# Altium PCB 2-quilter-output.PcbDoc (part 20 of 26)
Units mil, origin at the board's own origin, x right, y up, seen from the top; angles counter-clockwise.
Board outline 4130.55 x 4250 mil, 8 copper layers (L1, Ground L2, L3, Power L4, Ground L5, L6, Ground L7, L8), stack 62.985 mil thick; 591 components, 494 nets, 2245 pads, 1508 vias.
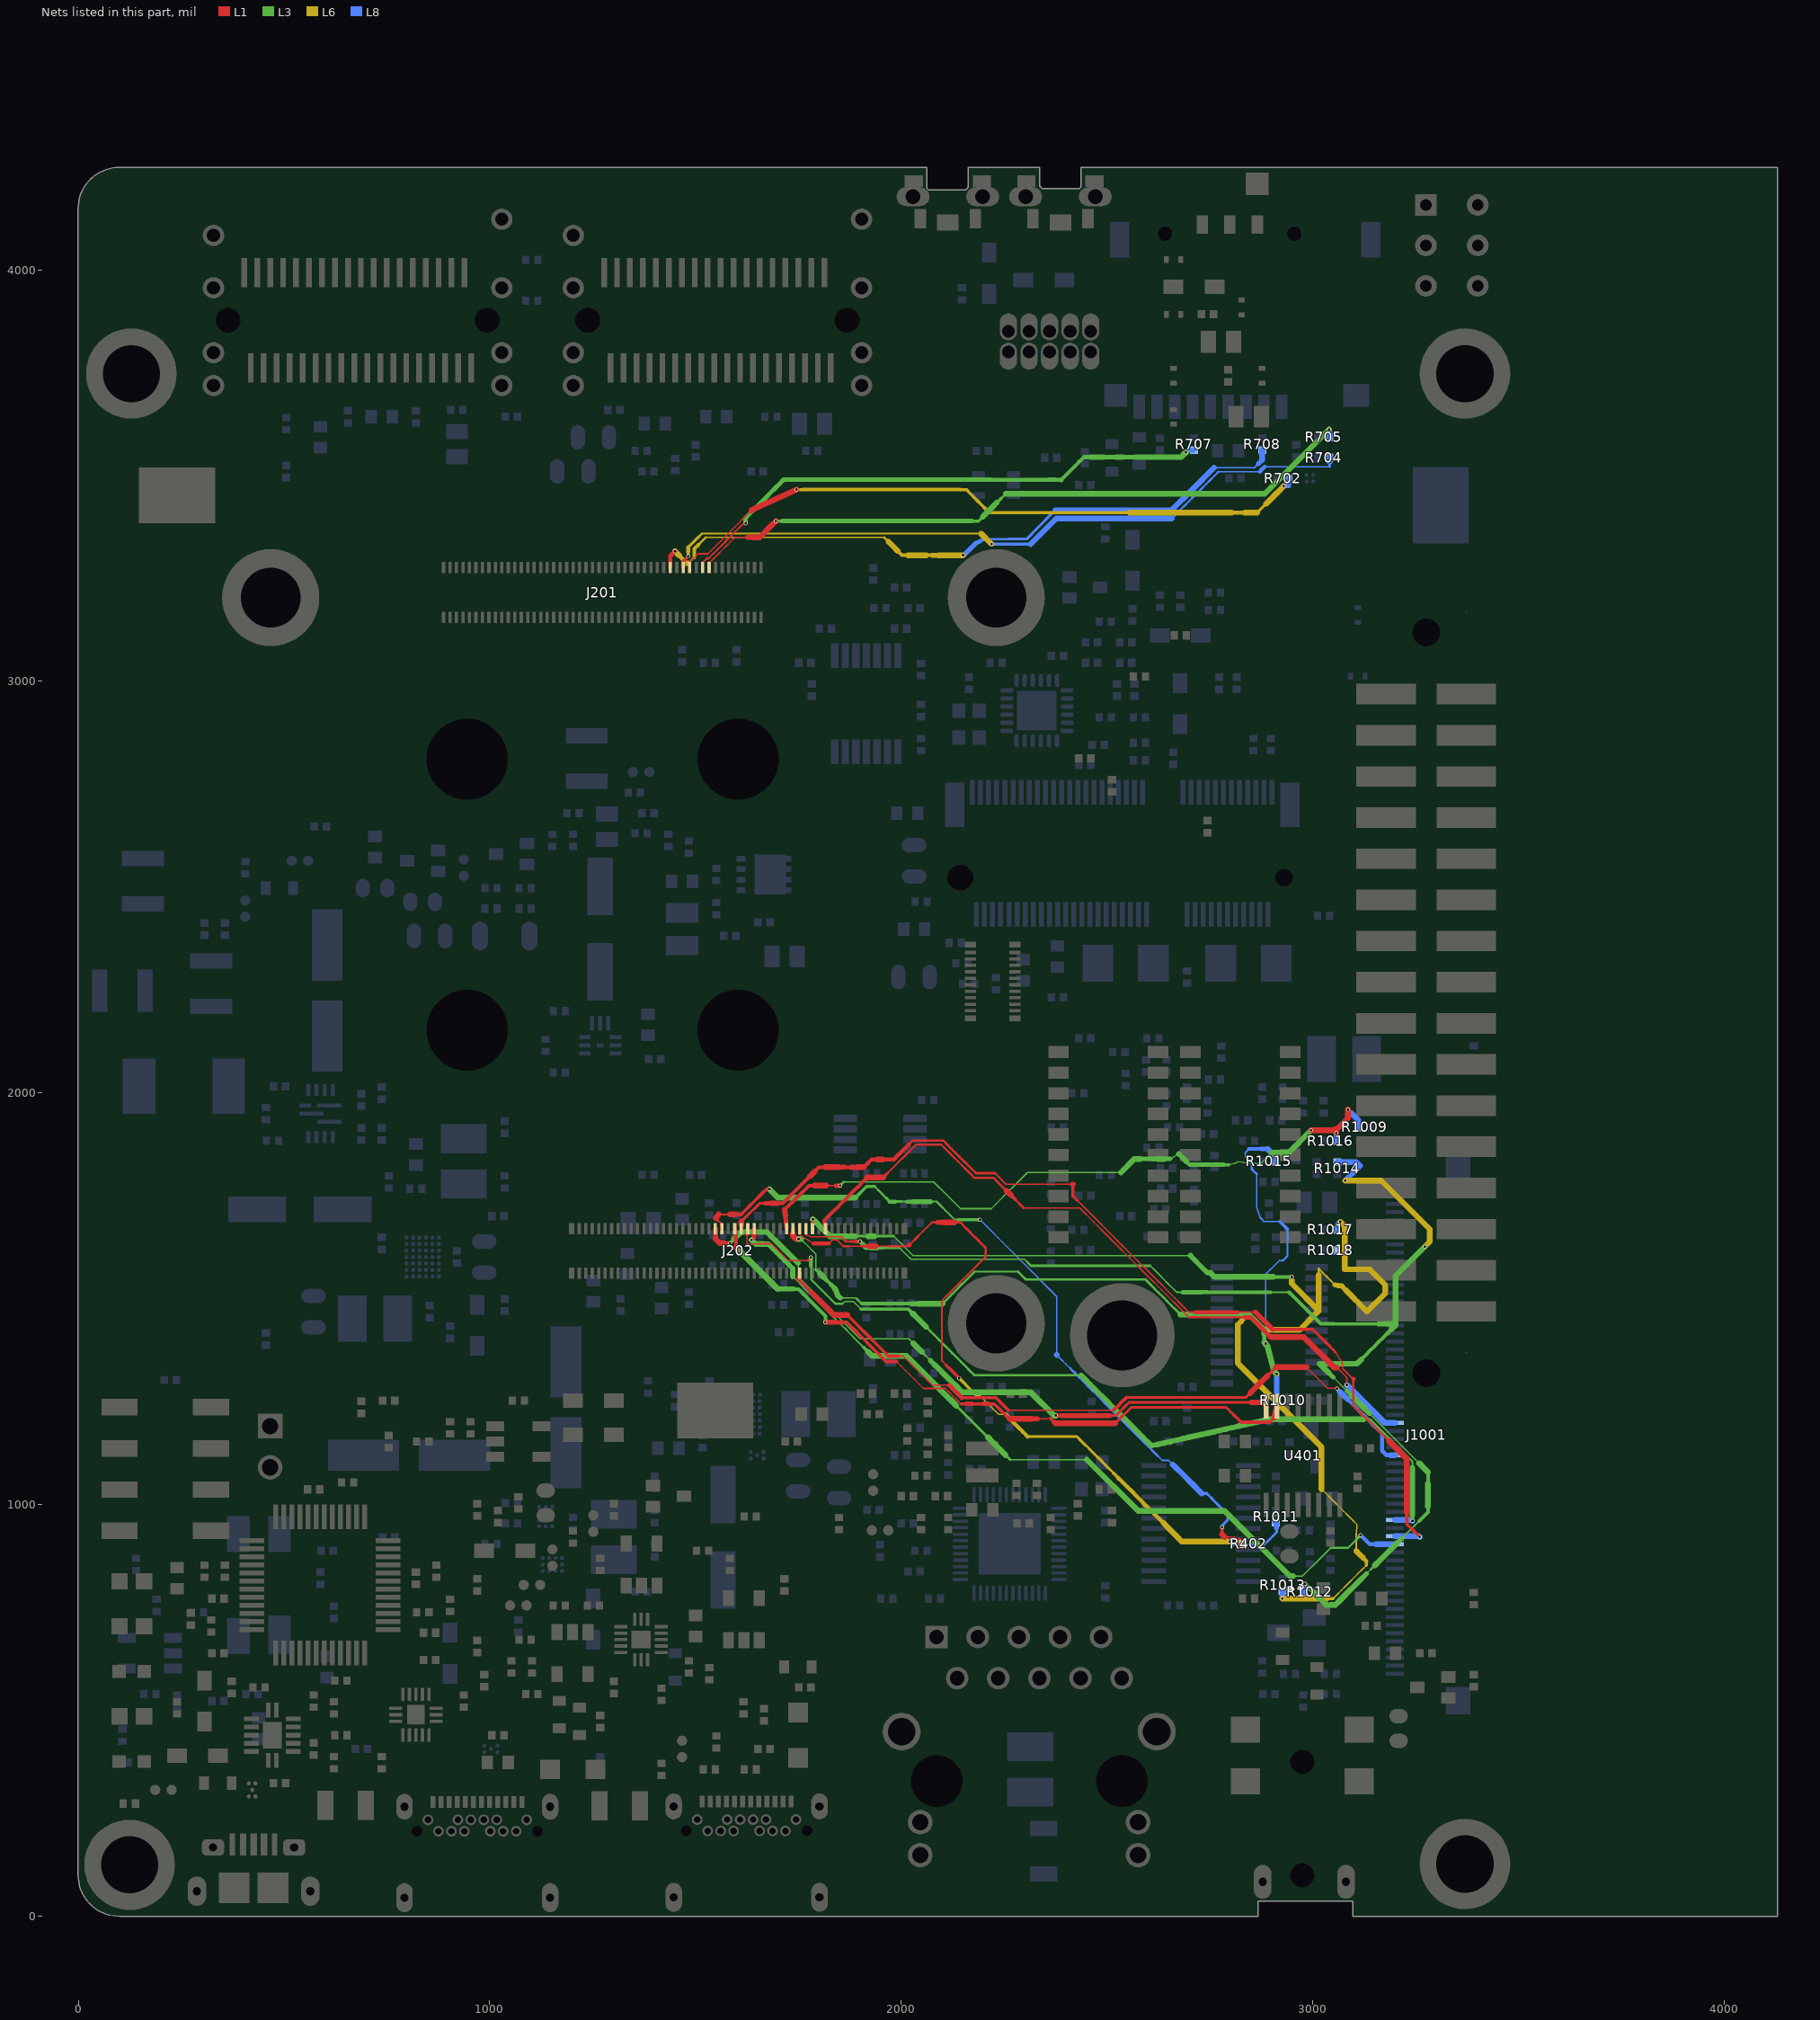
[diagram p26: the nets of this part, all layers, seen from the top]

## Via types
v1: diameter 9.85, hole 5.91, L1 to L8, tented both sides, 1508 vias

## Nets (pads, with @x,y where several pads share a name; then routed paths per layer and width w, separated by ;. In a path a pad name is that pad's centre, name@x,y a point inside that pad or via, vN(x,y) a via of type N, cw(c..) or ccw(c..) an arc to the next point about the centre after c; other vN are vias at no path point) (continued)
SAI3_RXC: J202.53 J1001.41 | length 2137.5
  L1 w3.5: 1625.93,1631.77 1625.93,1643.62 J202.53@1625.93,1656.14 ; 1626.61,1631.09 1633.74,1631.09 1641.75,1632.11 1649.76,1633.13 1661.41,1633.13 1673.06,1633.13 1684.7,1633.13 1695.01,1622.82 1705.31,1612.52 1715.62,1602.21 1725.92,1591.91 1741.52,1591.91 1757.12,1591.91 1772.72,1591.91
  L1 w4.85: 1772.72,1591.91 v1(1780.88,1600.07)
  L1 w6.9: 1625.93,1631.77 1626.61,1631.09
  L1 w9.96: J202.53@1625.93,1656.14 J202.53@1627.26,1669.65
  L3 w3.5: 1862.54,1492.39 1873.43,1492.39 1884.33,1492.39 1893.21,1483.51 1902.1,1474.62
  L3 w3.83: 1857.59,1487.44 1862.54,1492.39
  L3 w4.85: 1781.18,1578.74 1781.18,1567.98 1781.18,1557.23 1781.18,1546.47 1791.02,1536.63 1800.86,1526.79 1810.7,1516.96 1820.54,1507.12 1830.37,1497.28 1840.21,1487.44 1848.9,1487.44 1857.59,1487.44 ; 2178.11,1313.9 2193.37,1313.9 2208.64,1313.9 2223.9,1313.9 2239.16,1313.9 2254.42,1313.9 2269.68,1313.9 2284.94,1313.9 2300.2,1313.9 2315.47,1313.9 2330.73,1313.9 2345.99,1313.9 2361.25,1313.9 2376.51,1313.9 2391.77,1313.9 ; 2407.04,1313.9 2422.3,1313.9 2437.56,1313.9 ; 3124.83,1206.83 3140.07,1206.83 3150.35,1196.54 3160.63,1186.26 3170.92,1175.98 3181.2,1165.69 3191.48,1155.41 3201.77,1145.12 3212.05,1134.84 3222.34,1124.56 3232.62,1114.27 3242.9,1103.99 3242.9,1089.59
  L3 w5.87: 2060.25,1431.76 2070.97,1421.04 2081.68,1410.33 2092.4,1399.62 2103.11,1388.9 2113.83,1378.19 2124.54,1367.47 2135.25,1356.76 2145.97,1346.04 2156.68,1335.33 2167.4,1324.61 2178.11,1313.9 ; 2391.77,1313.9 2407.04,1313.9
  L3 w7.92: 1902.1,1474.62 1916.51,1474.62 1930.92,1474.62 1945.34,1474.62 1959.75,1474.62 1974.16,1474.62 1988.57,1474.62 2002.98,1474.62 2017.39,1474.62 2028.11,1463.9
  L3 w8.94: v1(3242.91,960) 3242.9,974.4
  L3 w9.96: v1(1780.88,1600.07) 1780.88,1589.56 1780.88,1579.05 1781.18,1578.74
  L3 w12.01: 2437.56,1313.9 2448.28,1303.17 2459.01,1292.45 2469.73,1281.72 2480.46,1271 2491.19,1260.27 2501.91,1249.55 2512.64,1238.82 2523.36,1228.09 2534.09,1217.37 2544.81,1206.64 2555.54,1195.92 2566.26,1185.19 2576.99,1174.47 2587.71,1163.74 2598.44,1153.02
  L3 w13.03: 2598.44,1153.02 2609.17,1142.29 ; 2609.2,1142.29 2624.3,1145.68 ; 2790.55,1183.05 2805.67,1186.44 2820.78,1189.84 ; 3242.9,1075.19 3242.9,1089.59
  L3 w14.05: 2028.11,1463.9 2038.82,1453.19 2049.54,1442.47 2060.25,1431.76 ; 2624.3,1145.68 2639.41,1149.08 2654.53,1152.47 2669.64,1155.87 2684.76,1159.27 2699.87,1162.67 2714.98,1166.06 2730.1,1169.46 2745.21,1172.86 2760.33,1176.25 2775.44,1179.65 2790.55,1183.05 ; 2820.78,1189.84 2835.9,1193.24 2851.01,1196.64 2866.13,1200.03 2881.24,1203.43 2896.35,1206.83 2911.59,1206.83 2926.82,1206.83 2942.05,1206.83 2957.28,1206.83 2972.51,1206.83 2987.75,1206.83 3002.98,1206.83 3018.21,1206.83 3033.44,1206.83 3048.67,1206.83 3063.91,1206.83 3079.14,1206.83 3094.37,1206.83 3109.6,1206.83 3124.83,1206.83 ; 3242.9,974.4 3242.9,988.8 3242.9,1003.2 3242.9,1017.6 3242.9,1032 3242.9,1046.4 3242.9,1060.79 3242.9,1075.19
  L8 w14.05: J1001.41@3200.73,962.1 3240.82,962.09 v1(3242.91,960)
SAI3_RXD: J202.55 J1001.44 | length 1994.4
  L1 w7.92: v1(1636.57,1642.24) 1643.01,1648.68
  L1 w9.96: J202.55@1643.01,1659.16 J202.55@1643,1669.64
  L1 w10.99: 1643.01,1648.68 J202.55@1643.01,1659.16
  L3 w3.5: 2265.36,1108.55 2280.9,1108.55 2296.44,1108.55 2311.98,1108.55 2327.52,1108.55 2343.05,1108.55 2358.59,1108.55 2374.13,1108.55 2389.67,1108.55 2405.21,1108.55 2420.75,1108.55 2436.29,1108.55 2451.83,1108.55 ; 2952.62,825.29 2960.24,825.29 2975.47,825.29 2985.33,835.15 2995.19,845.01 3005.06,854.87 3014.92,864.73 3024.78,874.6 3034.64,884.46 3044.5,894.32
  L3 w3.83: 1736.67,1553.77 1747.42,1543.02 1758.17,1532.27 1768.92,1521.52 1779.67,1510.77 1790.42,1500.02 1801.17,1489.26 1811.93,1478.51 1822.68,1467.76 1833.43,1457.01 1844.18,1446.26 1854.93,1435.51 1865.68,1424.76 1876.44,1414 1887.19,1403.25 1897.94,1392.5 1908.69,1381.75
  L3 w4.85: 3044.5,894.32 3058.52,894.32 3072.54,894.32 3086.56,894.32 3096.8,904.56 3107.04,914.8
  L3 w6.9: 2134.04,1239.87 2144.98,1228.93 2155.93,1217.98 2166.87,1207.04 2177.81,1196.1 2188.76,1185.16 2199.7,1174.21 2210.64,1163.27 ; 2254.42,1119.5 2265.36,1108.55
  L3 w7.92: 1908.69,1381.75 1919.44,1371 ; 3107.04,914.8 v1(3117.29,925.04)
  L3 w13.03: 1664.36,1632.34 1677.49,1632.34 1687.35,1622.48 1697.21,1612.62 1707.08,1602.75 1716.94,1592.89 1726.8,1583.03 1736.67,1573.17 1736.67,1563.47 1736.67,1553.77
  L3 w14.05: v1(1636.57,1642.24) 1646.47,1632.34 1664.35,1632.34 ; 1919.44,1371 1930.19,1360.25 2013.67,1360.25 2024.61,1349.3 2035.55,1338.36 2046.5,1327.42 2057.44,1316.47 2068.38,1305.53 2079.32,1294.59 2090.27,1283.64 2101.21,1272.7 2112.15,1261.76 2123.1,1250.81 2134.04,1239.87 ; 2210.64,1163.27 2221.59,1152.33 2232.53,1141.38 2243.47,1130.44 2254.42,1119.5 ; 2451.83,1108.55 2576.18,984.21 2786.07,984.21 ; 2786.08,984.2 2944.98,825.29 2952.61,825.29
  L8 w9.96: v1(3117.29,925.04) 3128.29,914.04 3139.3,903.03 3154.65,903.03
  L8 w14.05: 3154.65,903.03 3170.01,903.03 3185.37,903.03 J1001.44@3200.73,903.04
SAI3_RXFS: J202.51 J1001.43 | length 2365.3
  L1 w3.5: 2255.14,1777.93 2269.85,1777.93 2284.55,1777.93 2299.26,1777.93 2313.96,1777.93 2328.66,1777.93 2343.37,1777.93 2358.07,1777.93 2372.77,1777.93 2387.48,1777.93 2402.18,1777.93 2416.88,1777.93 ; 3056.54,1369.16 3062.04,1360.19 3067.55,1351.21 3073.06,1342.24 3073.06,1330.36 3081.83,1321.59 3090.6,1312.82 3099.37,1304.05
  L1 w3.83: 2428.63,1738.16 2439.47,1727.31 2450.32,1716.47 2461.16,1705.63 2472,1694.78 2482.85,1683.94 2493.69,1673.09 2504.54,1662.25 2515.38,1651.41 2526.23,1640.56 2537.07,1629.72 2547.91,1618.87 2558.76,1608.03 2569.6,1597.18 2580.45,1586.34 2591.29,1575.5 2602.13,1564.65 2612.98,1553.81 2623.82,1542.96 2634.67,1532.12 2645.51,1521.27 2656.36,1510.43 2667.2,1499.59 2678.04,1488.74 2688.89,1477.9 2699.73,1467.05 2714.43,1467.05 ; 2817.3,1467.05 2831.99,1467.05 2846.69,1467.05 2861.39,1467.05
  L1 w4.85: 2028.31,1883.99 2043.16,1883.99 2058.01,1883.99 2072.87,1883.99 2087.72,1883.99 2102.58,1883.99 ; 2228.55,1804.52 2237.42,1795.66 2246.28,1786.8 2255.14,1777.93
  L1 w5.87: 1656.21,1731.52 1670.36,1731.52 ; 2019.18,1874.87 2028.31,1883.99 ; 2102.58,1883.99 2112.51,1874.06 2122.45,1864.13 2132.38,1854.19 2142.31,1844.26 2152.25,1834.33 2162.18,1824.39 2172.12,1814.46 2182.05,1804.52 2197.55,1804.52 2213.05,1804.52 2228.55,1804.52 ; 3044.42,1381.13 3044.56,1381.13 3050.55,1375.15 3056.54,1369.16 ; 3099.37,1304.04 3099.37,1291.3 3099.37,1278.56 3099.37,1265.82 3099.37,1253.08 3099.37,1240.34 3110.23,1229.49 3121.08,1218.64 3131.93,1207.78 3142.78,1196.93 3153.64,1186.08 3164.49,1175.23 3175.34,1164.37 3186.19,1153.52
  L1 w6.9: 1611.5,1686.8 1620.44,1695.74 1629.38,1704.69 1638.32,1713.63 1647.27,1722.57 1656.21,1731.52 ; 2417.78,1749 2428.63,1738.16 ; 2903.36,1425.08 2917.23,1425.08 2931.11,1425.08 2944.98,1425.08 2958.85,1425.08 2972.73,1425.08 2986.6,1425.08 3000.47,1425.08 3011.46,1414.09 3022.44,1403.11 3033.43,1392.12 3044.41,1381.14
  L1 w7.92: 1919.09,1828.69 1928.76,1838.36 ; 2417.78,1749 2417.78,1763.46 2417.78,1777.93 ; 3229.6,966.12 3229.6,951.72 3237.85,943.47 3246.1,935.23 3253.31,928.02 v1(3260.52,920.81)
  L1 w8.94: J202.51@1611.5,1669.64 J202.51@1611.5,1678.22 ; 1698.64,1731.52 1712.79,1731.52 1723.73,1742.45 1734.66,1753.39 1745.6,1764.33 1756.54,1775.26 1767.48,1786.2 1778.41,1797.14 ; 1789.35,1808.08 1800.29,1819.01 1815.88,1819.01 ; 1862.65,1819.01 1878.24,1819.01
  L1 w9.96: 1909.42,1819.01 1919.09,1828.69 ; 1928.76,1838.36 1942.24,1838.36 ; 1955.72,1838.36 1969.19,1838.36 1982.67,1838.36 1991.8,1847.49 2000.92,1856.61 2010.05,1865.74 2019.18,1874.87 ; 2714.43,1467.05 2729.12,1467.05 2743.82,1467.05 2758.52,1467.05 2773.21,1467.05 2787.91,1467.05 2802.6,1467.05 2817.3,1467.05 ; 3229.6,966.12 3229.6,980.52
  L1 w10.99: 1670.36,1731.52 1684.5,1731.52
  L1 w12.01: 1847.06,1819.01 1862.65,1819.01 ; 2861.39,1467.05 2871.88,1456.56 2882.37,1446.07 2892.87,1435.57 2903.36,1425.08
  L1 w13.03: 1878.24,1819.01 1893.83,1819.01 ; 2416.89,1777.93 2417.78,1777.93
  L1 w14.05: J202.51@1611.5,1678.22 1611.5,1686.8 ; 1684.5,1731.52 1698.64,1731.52 ; 1778.41,1797.14 1789.35,1808.08 ; 1815.88,1819.01 1831.47,1819.01 1847.06,1819.01 ; 1893.83,1819.01 1909.42,1819.01 ; 1942.24,1838.36 1955.72,1838.36 ; 3186.19,1153.52 3197.04,1142.67 3207.9,1131.82 3218.75,1120.97 3229.6,1110.11 3229.6,1095.71 3229.6,1081.31 3229.6,1066.92 3229.6,1052.52 3229.6,1038.12 3229.6,1023.72 3229.6,1009.32 3229.6,994.92 3229.6,980.52
  L8 w14.05: J1001.43@3200.73,922.73 3258.61,922.72 v1(3260.52,920.81)
SAI3_TXC: J202.45 R402.1 | length 1851.3
  L1 w3.5: 2786.8,920.49 2796.03,920.49 2811.68,920.49 2820.79,911.38
  L1 w3.83: 1550.03,1694.6 1556.57,1688.06 J202.45@1563.1,1681.53 ; 1557.07,1704.28 1570.56,1704.28 1584.05,1704.28
  L1 w6.9: J202.45@1563.1,1681.53 J202.45@1564.26,1669.64
  L1 w7.92: 1597.54,1704.28 1611.03,1704.28 1621.32,1714.57 1631.62,1724.87 1641.91,1735.16 1652.21,1745.46 ; 1662.5,1755.75 1672.8,1766.05 v1(1679.98,1766.05) ; 2780.38,932.52 v1(2780.38,944.55)
  L1 w8.94: 1652.21,1745.46 1662.5,1755.75 ; 2780.38,926.91 2780.38,932.52
  L1 w14.05: 1550.03,1694.6 1550.03,1697.24 1557.07,1704.28 ; 1584.05,1704.28 1597.54,1704.28 ; 2780.38,926.91 2786.8,920.49 ; 2820.79,911.38 R402.1@2829.81,903.58
  L3 w4.85: 1935.71,1772.41 1944.87,1763.25 ; 2000.8,1735.78 2015.03,1735.78 ; 2071.94,1735.78 2086.17,1735.78 2097.23,1724.71 2108.3,1713.64 2119.37,1702.58 2130.44,1691.51 2138.61,1691.51
  L3 w5.87: 1944.87,1763.25 1954.03,1754.1 1963.18,1744.94 ; 1986.57,1735.78 2000.8,1735.78
  L3 w6.9: 1963.18,1744.94 1972.34,1735.78
  L3 w7.92: 1898.38,1754.43 1907.37,1763.42 1916.37,1772.41 1926.04,1772.41 1935.71,1772.41 ; 2138.61,1691.5 2151.96,1691.5 2165.32,1691.5 2178.67,1691.5 v1(2192.03,1691.5)
  L3 w8.94: 1889.39,1745.44 1898.38,1754.43
  L3 w9.96: 1972.34,1735.78 1986.57,1735.78 ; 2015.03,1735.78 2029.25,1735.78
  L3 w12.01: 2029.25,1735.78 2043.48,1735.78 2057.71,1735.78 2071.94,1735.78
  L3 w14.05: v1(1679.98,1766.05) 1700.59,1745.43 1889.39,1745.43
  L8 w3.5: v1(2192.03,1691.5) 2203,1680.53 2213.97,1669.56 2224.94,1658.59 2235.92,1647.61 2246.89,1636.64 2257.86,1625.67 2268.83,1614.7 2279.8,1603.73 2290.77,1592.76 2301.75,1581.78 2312.72,1570.81 2323.69,1559.84 2334.66,1548.87 2345.63,1537.9 2356.6,1526.93 2367.58,1515.95 2378.55,1504.98 2378.55,1490.77 2378.55,1476.55 2378.55,1462.33 2378.55,1448.12 2378.55,1433.9 2378.55,1419.69 2378.55,1405.47 2378.55,1391.25 2378.55,1377.04 2378.55,1362.82
  L8 w3.83: 2378.55,1362.81 2389.69,1351.67 2400.83,1340.54 2411.96,1329.4 ; 2467.65,1273.71 2478.79,1262.58 2489.92,1251.44 ; 2623.57,1117.79 2634.71,1106.65 2642.65,1106.65 2650.58,1106.65 2660.61,1096.62
  L8 w4.85: 2434.24,1307.12 2445.38,1295.99 2456.51,1284.85
  L8 w5.87: 2411.96,1329.4 2423.1,1318.26 2434.24,1307.12 ; 2456.51,1284.85 2467.65,1273.71 ; 2489.92,1251.44 2501.06,1240.3 2512.2,1229.16 2523.34,1218.03 2534.47,1206.89 2545.61,1195.75 2556.75,1184.61 2567.89,1173.48 2579.02,1162.34 2590.16,1151.2 2601.3,1140.06 2612.44,1128.93 2623.57,1117.79 ; 2743.07,1026.4 2752.71,1016.76
  L8 w6.9: 2730.83,1026.4 2743.07,1026.4 ; 2752.71,1016.76 2762.35,1007.12 2771.99,997.48 2781.63,987.84 2791.27,978.2 2793.65,975.82 2793.65,961.28 2790.65,958.28 v1@2780.38,948.01
  L8 w7.92: v1(2780.38,944.55) v1@2780.38,948.01
  L8 w14.05: 2660.61,1096.62 2670.64,1086.59 2680.67,1076.56 2690.7,1066.53 2700.73,1056.5 2710.76,1046.47 2720.8,1036.44 2730.83,1026.41
SAI3_TXD: J202.49 U401.7 | length 1604.4
  L1 w3.5: 1988.93,1346.95 1999.85,1336.02 2010.78,1325.09 2021.71,1314.16 2032.64,1303.23 2043.57,1292.31 2054.5,1281.38 2067.87,1281.38 2081.24,1281.38 2094.61,1281.38 2101.3,1281.38 2107.99,1281.38 2117.33,1272.04 2126.66,1262.71 2136,1253.37 2145.34,1244.03 ; 2330.88,1207.45 2344.39,1207.45 2353.77,1207.94 2363.15,1208.43
  L1 w6.9: 2520.62,1196.74 2530.3,1206.43 2539.99,1216.12 2549.68,1225.8 2559.36,1235.49 2574.77,1235.49 2590.17,1235.49 2605.58,1235.49 2620.98,1235.49 2636.39,1235.49 2651.79,1235.49 2667.2,1235.49 2682.6,1235.49 2698.01,1235.49 2713.41,1235.49 2728.82,1235.49 2744.22,1235.49 2759.63,1235.49 2775.03,1235.49 2790.44,1235.49 2799.42,1226.51 2808.39,1217.53 ; 2896.41,1199.58 U401.7@2907.28,1210.45
  L1 w7.92: 1857.37,1442.35 1868.2,1442.35 1878.81,1431.75 1889.4,1421.15 1900.01,1410.55 1910.61,1399.95 1921.21,1389.35 1931.81,1378.75 1942.41,1368.15 1953.01,1357.55 1963.61,1346.95 1976.27,1346.95 1988.93,1346.95 ; 2145.34,1244.03 2158.9,1244.03 ; 2172.47,1244.03 2186.03,1244.03 2199.6,1244.03 ; 2213.16,1244.03 2226.73,1244.03 2235.87,1234.89 2245.02,1225.74 2254.17,1216.59 2263.32,1207.45 ; 2363.15,1208.43 2373.83,1197.74 ; 2808.39,1217.53 2817.37,1208.56 2826.35,1199.58 2840.36,1199.58 2854.37,1199.58 2868.39,1199.58 2882.4,1199.58 2896.41,1199.58
  L1 w8.94: J202.49@1595.76,1669.64 1598.59,1663.11 1598.59,1650.43 ; v1@1598.59,1625.05 1598.59,1637.74
  L1 w9.96: 1598.59,1637.74 1598.59,1650.43
  L1 w10.99: v1(1816.12,1442.6) 1825.78,1442.6 1835.44,1442.6 1835.69,1442.35 1846.53,1442.35 1857.37,1442.35 ; 2158.9,1244.03 2172.47,1244.03 ; 2199.6,1244.03 2213.16,1244.03
  L1 w12.01: 2317.37,1207.45 2330.88,1207.45
  L1 w14.05: v1@1598.59,1625.05 v1(1601.2,1622.44) ; 2263.32,1207.45 2276.83,1207.45 2290.34,1207.45 2303.85,1207.45 2317.37,1207.45 ; 2373.83,1197.74 2374.84,1196.74 2520.61,1196.74 ; U401.7@2907.28,1210.45 U401.7@2913.26,1238.52
  L3 w8.94: 1737.95,1522.91 1750.35,1522.91 1761.31,1511.95 1772.27,1500.99 1783.24,1490.03 1794.2,1479.07 1805.16,1468.11 1816.12,1457.15 v1(1816.12,1442.6)
  L3 w12.01: 1700.72,1522.91 1713.13,1522.91 1725.54,1522.91 1737.95,1522.91
  L3 w14.05: v1(1601.2,1622.44) 1700.72,1522.91
SAI3_TXFS: J202.43 U401.8 | length 1602.4
  L1 w6.9: 2507.78,1215.77 2522.42,1215.77 2533.05,1226.4 2543.68,1237.03 2554.32,1247.67 2570.01,1247.67 2585.71,1247.67 2601.41,1247.67 2617.11,1247.67 2632.81,1247.67 2648.51,1247.67 2664.21,1247.67 2679.9,1247.67 2695.6,1247.67 2711.3,1247.67 2727,1247.67 2742.7,1247.67 2758.4,1247.67 2774.09,1247.67 2789.79,1247.67 2805.49,1247.67 2821.19,1247.67 2836.89,1247.67 2852.59,1247.67
  L1 w8.94: 1570.45,1634.71 v1(1584.04,1634.71)
  L1 w9.96: J202.43@1548.51,1669.64 J202.43@1549.58,1668.46 ; v1(2375.98,1215.77) 2390.63,1215.77
  L1 w12.01: 1549.58,1644.38 1549.58,1655.22 J202.43@1549.58,1668.46 ; 2390.63,1215.77 2405.27,1215.77 2419.91,1215.77 2434.56,1215.77 2449.2,1215.77 2463.85,1215.77 2478.49,1215.77 2493.13,1215.77 2507.78,1215.77
  L1 w14.05: 1549.58,1644.38 1559.25,1634.71 1570.45,1634.71 ; 2852.59,1247.67 2868.29,1247.67 2883.98,1247.67 U401.8@2887.66,1238.52
  L3 w3.5: 1749.87,1585.86 1749.87,1574.82 1749.87,1563.78 1749.87,1552.74 1760.64,1541.97 1771.41,1531.2 1782.18,1520.42 1792.95,1509.65 1803.72,1498.88 1814.49,1488.11 1825.26,1477.34 1836.03,1466.57 1846.8,1455.8 1857.57,1445.03 1868.34,1434.26 1879.12,1423.49 1889.89,1412.72 1900.66,1401.95 1915.43,1401.95 1930.21,1401.95 1944.98,1401.95 1959.75,1401.95 1974.53,1401.95 1989.3,1401.95 2004.08,1401.95 2018.85,1401.95
  L3 w3.83: 2018.85,1401.95 2029.32,1391.48 ; 2060.74,1360.06 2071.21,1349.59
  L3 w4.85: 2050.26,1370.53 2060.74,1360.06
  L3 w7.92: v1(1584.04,1634.71) 1593,1643.67
  L3 w12.01: 2071.21,1349.59 2081.68,1339.12
  L3 w13.03: 1593,1643.67 1601.95,1652.62 ; 1674.15,1661.58 1684.97,1650.76 1695.79,1639.94 1706.6,1629.13 1717.42,1618.31 1728.23,1607.5 1739.05,1596.68 1749.87,1585.86
  L3 w14.05: 1601.95,1652.62 1610.91,1661.58 1674.15,1661.58 ; 2029.32,1391.48 2039.79,1381.01 2050.26,1370.53 ; 2081.68,1339.12 2092.15,1328.65 2102.62,1318.18 2113.09,1307.71 2123.56,1297.24 2134.03,1286.76 2144.5,1276.29 2149.02,1271.78 2315.7,1271.78 2371.7,1215.77 2373.84,1215.77 v1(2375.98,1215.77)
SAI5_MCLK: J202.77 J1001.29 | length 1774.7
  L1 w3.5: 2298.08,1719.94 2313.2,1719.94 2328.31,1719.94 2343.43,1719.94 2358.55,1719.94 2373.67,1719.94 2388.79,1719.94 2403.9,1719.94 2419.02,1719.94 2434.14,1719.94 2445.2,1708.88 2456.27,1697.81 2467.34,1686.75 2478.4,1675.68 2489.47,1664.62 2500.53,1653.55 2511.6,1642.48 2522.67,1631.42 2533.73,1620.35 2544.8,1609.29 2555.86,1598.22 2566.93,1587.15 2578,1576.09 2589.06,1565.02 2600.13,1553.96 2611.19,1542.89 2622.26,1531.82 2633.33,1520.76 2644.39,1509.69 2655.46,1498.63 2666.52,1487.56 2677.59,1476.49 2688.66,1465.43 2699.72,1454.36 ; 3059.06,1332.64 3067.36,1324.33 3075.38,1316.32 3083.39,1308.31 3083.39,1299.23 v1(3083.4,1290.16)
  L1 w4.85: 1966.43,1804.18 1976.39,1814.13 1986.35,1824.09 1996.3,1834.04 2006.26,1844 2016.21,1853.95 2026.17,1863.91 2036.12,1873.86 2051.5,1873.86 2066.89,1873.86 2082.27,1873.86 2097.65,1873.86 2107.71,1863.8 2117.77,1853.74 2127.84,1843.68 2137.9,1833.62 2147.96,1823.55 2158.02,1813.49 2168.08,1803.43 2178.14,1793.37 ; 2277.1,1740.92 2287.59,1730.43 ; 2699.72,1454.36 2714.78,1454.36 2729.85,1454.36 2744.91,1454.36 2759.97,1454.36 2775.03,1454.36 2790.1,1454.36 2805.16,1454.36 2820.22,1454.36 2835.29,1454.36
  L1 w5.87: 2178.14,1793.37 2193.65,1793.37 2209.15,1793.37 2224.66,1793.37 2235.14,1782.88 2245.63,1772.39 2256.12,1761.9
  L1 w6.9: 2287.59,1730.43 2298.08,1719.94
  L1 w7.92: 1956.48,1794.22 1966.43,1804.18
  L1 w8.94: J202.77@1814.57,1679.51 1812.9,1689.38 1823.39,1699.86 1833.87,1710.34 1844.36,1720.83 1854.84,1731.31 1865.33,1741.8 1875.81,1752.28 1886.3,1762.77 1896.78,1773.25 1907.27,1783.74 1917.75,1794.22 ; 2266.61,1751.41 2277.1,1740.92
  L1 w9.96: J202.77@1814.57,1679.51 J202.77@1816.23,1669.64
  L1 w10.99: 2835.29,1454.36 2850.35,1454.36 2859.87,1444.84 2869.39,1435.32 2878.91,1425.8 2888.43,1416.28 2897.94,1406.77
  L1 w14.05: 1917.75,1794.22 1956.48,1794.22 ; 2256.12,1761.9 2266.61,1751.41 ; 2897.94,1406.77 2978.69,1406.77 3052.81,1332.64 3059.06,1332.64
  L8 w14.05: v1(3083.4,1290.16) 3175.25,1198.31 J1001.29@3200.73,1198.32
SAI5_RXC: J202.65 R1009.2 R1016.2 | length 1685.1
  L1 w3.5: 1817.68,1774.44 1831.64,1774.44 1841.6,1774.44
  L1 w8.94: 1717.2,1715.81 1726.97,1725.58 1736.74,1735.35 1746.52,1745.12 1756.29,1754.9 1766.06,1764.67 1775.83,1774.44 1789.78,1774.44
  L1 w9.96: 1720.23,1685.03 J202.65@1721.75,1669.65
  L1 w10.99: 1718.72,1700.42 1720.23,1685.03 ; 1841.6,1774.44 v1(1851.56,1774.44)
  L1 w13.03: 1717.2,1715.81 1718.72,1700.42
  L1 w14.05: 1789.78,1774.44 1803.73,1774.44 1817.68,1774.44 ; v1(2996.74,1908.77) 3051.34,1908.77 3053.5,1910.93 ; v1(3057.72,1902.56) 3053.5,1906.79 3053.5,1910.92 3059.2,1912.56 3064.28,1915.98 3086.09,1937.78 v1(3086.09,1958.91)
  L3 w3.5: 2079.2,1783.57 2090.06,1772.71 2100.92,1761.86 2111.77,1751 2122.63,1740.14 2133.49,1729.29 2144.33,1718.44 2159.35,1718.43 2174.35,1718.43 2189.34,1718.43 2204.34,1718.43 2219.33,1718.43 2230.32,1729.42 2241.31,1740.41 2252.31,1751.4 2263.3,1762.39 2274.29,1773.38 2285.28,1784.37 2296.27,1795.36 2307.26,1806.36 2322.41,1806.36 2337.56,1806.36 2352.71,1806.36 2367.86,1806.36 2383.01,1806.36 2398.16,1806.36 2413.31,1806.36 2428.46,1806.36 2443.61,1806.36 2458.76,1806.36 2473.91,1806.36 2489.06,1806.36 2504.21,1806.36 2519.36,1806.36 2534.51,1806.36 ; 2653.72,1839.47 2664.67,1845.3 2675.62,1851.13 ; 2796.41,1824.97 2804.56,1826.85 2812.71,1828.72 2818.51,1832.65 2829.07,1831.12 2839.76,1829.56 2850.45,1828 2862.32,1828 2874.18,1828 2882.55,1836.38 2890.93,1844.76 2900.11,1853.94
  L3 w3.83: 1860.68,1783.57 1876.29,1783.57 1891.9,1783.57 1907.51,1783.57 1923.12,1783.57 1938.73,1783.57 1954.34,1783.57 1969.94,1783.57 1985.55,1783.57 2001.16,1783.57 2016.77,1783.57 2032.38,1783.57 2047.99,1783.57 2063.6,1783.57 2079.2,1783.57